# Altium PCB STM PCB.PcbDoc (part 2 of 3)
Units mm, origin at the board's own origin, x right, y up, seen from the top; angles counter-clockwise.
Board outline 66 x 113.5 mm, 4 copper layers (L1, GND, PWR, L2), stack 0.603 mm thick; 161 components, 199 nets, 817 pads, 466 vias.
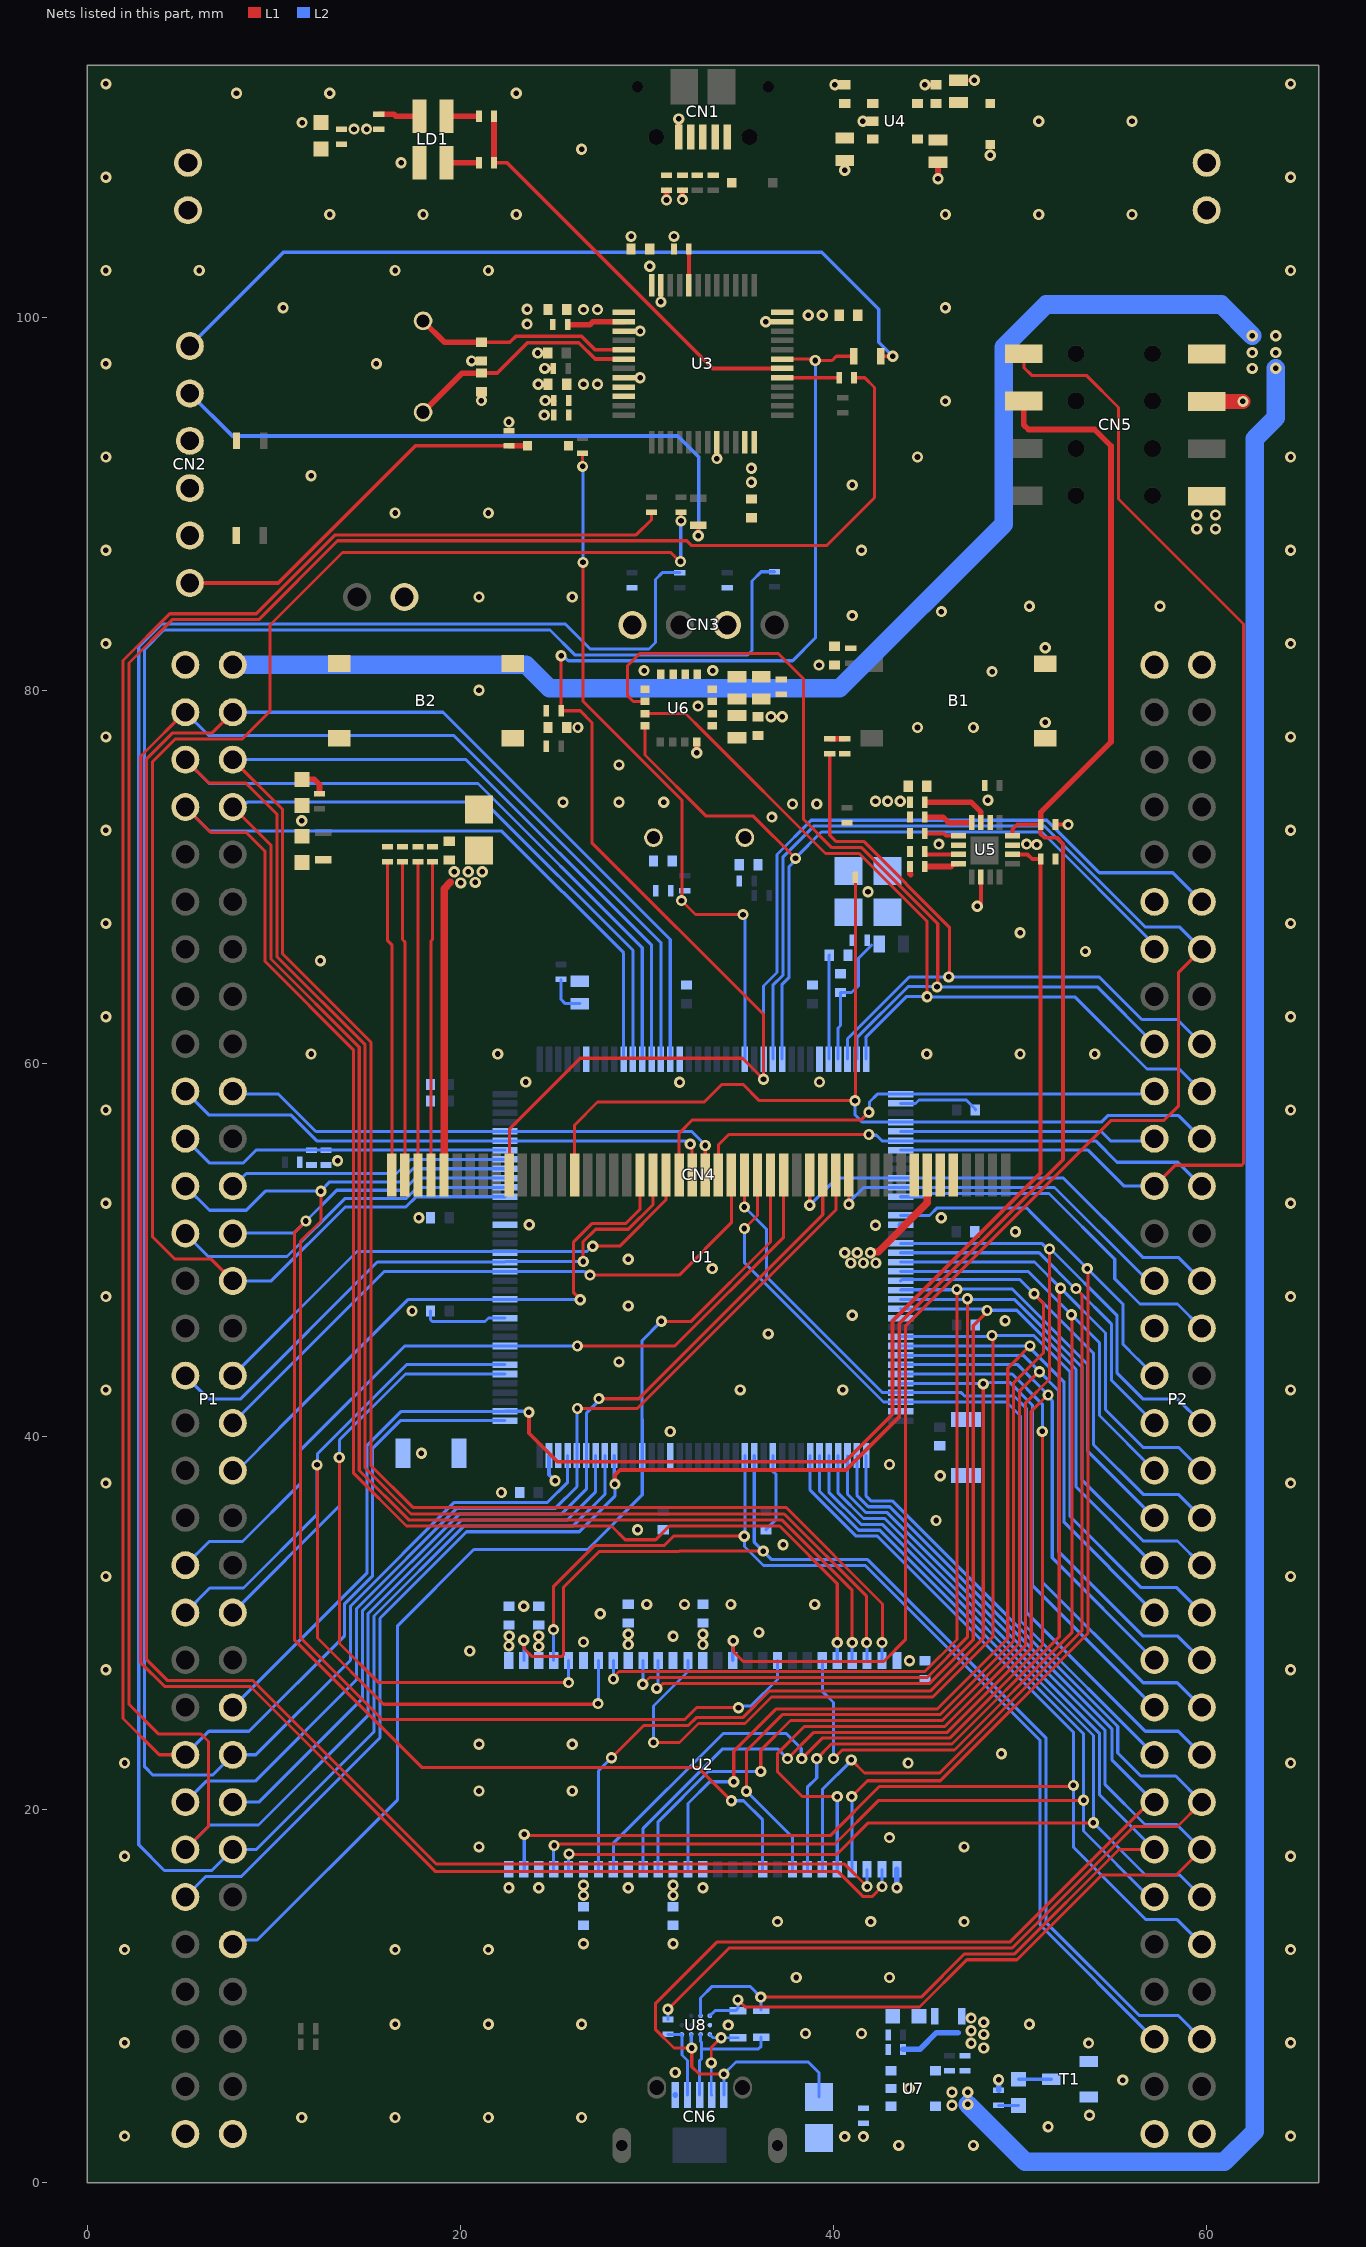
[diagram p4: the nets of this part, all layers, seen from the top]

## Part data (continued)
R34: library part "RES 680 OHM 1% 1/10W 0603", "SMD Chip Resistor, 680 Ohm, ± 1%, 100 mW, 0603 [1608 Metric], Thick Film, General Purpose", Case Code (Metric)=1608, Case Code (Imperial)=0603, Manufacturer=Yageo, Max Operating Temperature=155°C, Max Power Dissipation=100mW, Min Operating Temperature=-55°C, Resistance Tolerance=1%, Resistor Type="Thick Film", Supplier Part Number=6789788, Temperature Coefficient=100ppm/°C, Voltage Rating=50V, Working Voltage=75V, Case/Package=0603, Category="Chip SMD Resistors", ComponentLink1Description=https://datasheet.ciiva.com/46412/443971-46412854.pdf?src-supplier=Element14, ComponentLink1URL=https://datasheet.ciiva.com/46412/443971-46412854.pdf?src-supplier=Element14, ComponentLink2Description=https://datasheet.ciiva.com/2553/pyu-r-int-thick-7-2553546.pdf?src-supplier=Digikey, ComponentLink2URL=https://datasheet.ciiva.com/2553/pyu-r-int-thick-7-2553546.pdf?src-supplier=Digikey, ComponentLink3Description=https://datasheet.ciiva.com/2553/pyu-r-int-thick-7-2553545.pdf?src-supplier=Digikey, ComponentLink3URL=https://datasheet.ciiva.com/2553/pyu-r-int-thick-7-2553545.pdf?src-supplier=Digikey, ComponentLink4Description=https://datasheet.ciiva.com/7746/443971-7746389.pdf?src-supplier=Element14, ComponentLink4URL=https://datasheet.ciiva.com/7746/443971-7746389.pdf?src-supplier=Element14, ComponentLink5Description=https://datasheet.ciiva.com/2553/pyu-r-int-thick-7-2553547.pdf?src-supplier=Digikey, ComponentLink5URL=https://datasheet.ciiva.com/2553/pyu-r-int-thick-7-2553547.pdf?src-supplier=Digikey, Construction=Rectangular, Depth=0.8mm, Features="Moisture Resistant", Lead Free="Lead Free", Length=1.6mm, Manufacturer Part Number=RC0603FR-07680RL, Military Standard=Not, Number of Terminations=2, Packaging="Tape and Reel", Pins=2, Power Rating=100mW, Pricing="5000=0,0032, 50000=0,0029, 100000=0,003, 150000=0,0028, 375000=0,0028, 1000000=0,0025, 1250000=0,0027, 5000000=0,0025 (USD)", Reach SVHC Compliant=No, RoHS=Yes, RoHS Compliant=Yes, Series=RC, Stock=2255000, Supplier="Future Electronics", Termination=SMD/SMT, Tolerance=1%, Voltage Rating (AC)=50V, Voltage Rating (DC)=50V, Width=0.8mm
R37 R43: library part "RES 330 OHM 1% 1/16W 0402", "SMD Chip Resistor, 330 Ohm, ± 1%, 63 mW, 0402 [1005 Metric], Thick Film, General Purpose", Case Code (Metric)=1005, Case Code (Imperial)=0402, Manufacturer=Yageo, Max Operating Temperature=155°C, Max Power Dissipation=63mW, Min Operating Temperature=-55°C, Package Quantity=1, Power Rating=62.5mW, Resistance Tolerance=1%, Resistor Type="Thick Film", Supplier Part Number=7045693, Temperature Coefficient=100ppm/°C, Voltage Rating=50V, Case/Package=0402, Category="Chip SMD Resistors", ComponentLink1Description=https://datasheet.ciiva.com/11819/0900766b80c66297-11819490.pdf?src-supplier=Rs, ComponentLink1URL=https://datasheet.ciiva.com/11819/0900766b80c66297-11819490.pdf?src-supplier=Rs, ComponentLink2Description=https://datasheet.ciiva.com/2453/pyu-r-int-thick-7-2453662.pdf?src-supplier=Digikey, ComponentLink2URL=https://datasheet.ciiva.com/2453/pyu-r-int-thick-7-2453662.pdf?src-supplier=Digikey, ComponentLink3Description=https://datasheet.ciiva.com/2453/pyu-r-int-thick-7-2453663.pdf?src-supplier=Digikey, ComponentLink3URL=https://datasheet.ciiva.com/2453/pyu-r-int-thick-7-2453663.pdf?src-supplier=Digikey, ComponentLink4Description=https://datasheet.ciiva.com/2453/pyu-r-int-thick-7-2453661.pdf?src-supplier=Digikey, ComponentLink4URL=https://datasheet.ciiva.com/2453/pyu-r-int-thick-7-2453661.pdf?src-supplier=Digikey, ComponentLink5Description=https://datasheet.ciiva.com/12656/pyu-rc0402-51-rohs-l-6-r-12656815.pdf?src-supplier=Mouser, ComponentLink5URL=https://datasheet.ciiva.com/12656/pyu-rc0402-51-rohs-l-6-r-12656815.pdf?src-supplier=Mouser, ComponentLink6Description=https://datasheet.ciiva.com/7849/1018594-7849963.pdf?src-supplier=Element14, ComponentLink6URL=https://datasheet.ciiva.com/7849/1018594-7849963.pdf?src-supplier=Element14, ComponentLink7Description=https://datasheet.ciiva.com/7849/1018594-7849962.pdf?src-supplier=Element14, ComponentLink7URL=https://datasheet.ciiva.com/7849/1018594-7849962.pdf?src-supplier=Element14, ComponentLink8Description=https://datasheet.ciiva.com/17083/pyu-rc0402-51-rohs-l-6-r-17083994.pdf?src-supplier=Future+Electronics, ComponentLink8URL=https://datasheet.ciiva.com/17083/pyu-rc0402-51-rohs-l-6-r-17083994.pdf?src-supplier=Future+Electronics, Construction=Rectangular, Depth=0.5mm, Features="Moisture Resistant", Height=0.016inch, Lead Free=5697LeadFree, Length=0.039inch, Manufacturer Part Number=RC0402FR-07330RL, Military Standard=Not, Number of Terminations=2, Packaging="Tape and Reel", Pricing="10000=0,002, 100000=0,0011, 200000=0,0019, 300000=0,001, 750000=0,0018, 2000000=0,0018, 7500000=0,0016 (USD)", Reach SVHC Compliant=No, RoHS=Yes, RoHS Compliant=Yes, Series=RC, Stock=1480000, Supplier="Future Electronics", Technology="THICK FILM", Termination=SMD/SMT, Tolerance=1%, Voltage Rating (AC)=50V, Width=0.02inch
R38: library part "RES 620 OHM 1% 1/10W 0603", "SMD Chip Resistor, 620 Ohm, ± 1%, 100 mW, 0603 [1608 Metric], Thick Film, General Purpose", Manufacturer=Yageo, Supplier Part Number=6944821, Category="Chip SMD Resistors", ComponentLink1Description=http://www.mouser.com/ds/2/447/RC0603-272842.pdf?src-supplier=Mouser, ComponentLink1URL=http://www.mouser.com/ds/2/447/RC0603-272842.pdf?src-supplier=Mouser, ComponentLink2Description=http://www.yageo.com/documents/recent/PYu-RC_Group_51_RoHS_L_9.pdf?src-supplier=Digikey, ComponentLink2URL=http://www.yageo.com/documents/recent/PYu-RC_Group_51_RoHS_L_9.pdf?src-supplier=Digikey, ComponentLink3Description=http://www.yageo.com/documents/recent/PYu-RC_Group_51_RoHS_L_10.pdf?src-supplier=Digikey, ComponentLink3URL=http://www.yageo.com/documents/recent/PYu-RC_Group_51_RoHS_L_10.pdf?src-supplier=Digikey, ComponentLink4Description=https://datasheet.octopart.com/RC0603FR-07620RL-Yageo-datasheet-164759695.pdf?src-supplier=Future+Electronics, ComponentLink4URL=https://datasheet.octopart.com/RC0603FR-07620RL-Yageo-datasheet-164759695.pdf?src-supplier=Future+Electronics, ComponentLink5Description=http://www.yageo.com/documents/recent/PYu-RC0603_51_RoHS_L_7.pdf?src-supplier=Future+Electronics, ComponentLink5URL=http://www.yageo.com/documents/recent/PYu-RC0603_51_RoHS_L_7.pdf?src-supplier=Future+Electronics, ComponentLink6Description=https://datasheet.octopart.com/RC0603FR-07620RL-Yageo-datasheet-148775077.pdf?src-supplier=TME, ComponentLink6URL=https://datasheet.octopart.com/RC0603FR-07620RL-Yageo-datasheet-148775077.pdf?src-supplier=TME, Manufacturer Part Number=RC0603FR-07620RL, Pricing="5000=0,0015, 50000=0,0014, 150000=0,0014, 375000=0,0013, 1000000=0,0012 (USD)", RoHS=Yes, Stock=330000, Supplier="Future Electronics"
R40 R44: library part "RES 47K OHM 1% 1/16W 0402", "SMD Chip Resistor, 47 kOhm, ± 1%, 63 mW, 0402 [1005 Metric], Thick Film, General Purpose", Case Code (Metric)=1005, Case Code (Imperial)=0402, Manufacturer=Yageo, Max Operating Temperature=155°C, Max Power Dissipation=63mW, Min Operating Temperature=-55°C, Package Quantity=1, Power Rating=62.5mW, Resistance Tolerance=1%, Resistor Type="Thick Film", Supplier Part Number=6020820, Temperature Coefficient=100ppm/°C, Voltage Rating=50V, Case/Package=0402, Category="Chip SMD Resistors", ComponentLink1Description=https://datasheet.ciiva.com/46412/1018594-46412839.pdf?src-supplier=Element14, ComponentLink1URL=https://datasheet.ciiva.com/46412/1018594-46412839.pdf?src-supplier=Element14, ComponentLink2Description=https://datasheet.ciiva.com/2453/pyu-r-int-thick-7-2453389.pdf?src-supplier=Digikey, ComponentLink2URL=https://datasheet.ciiva.com/2453/pyu-r-int-thick-7-2453389.pdf?src-supplier=Digikey, ComponentLink3Description=https://datasheet.ciiva.com/2453/pyu-r-int-thick-7-2453390.pdf?src-supplier=Digikey, ComponentLink3URL=https://datasheet.ciiva.com/2453/pyu-r-int-thick-7-2453390.pdf?src-supplier=Digikey, ComponentLink4Description=https://datasheet.ciiva.com/2453/pyu-r-int-thick-7-2453388.pdf?src-supplier=Digikey, ComponentLink4URL=https://datasheet.ciiva.com/2453/pyu-r-int-thick-7-2453388.pdf?src-supplier=Digikey, ComponentLink5Description=https://datasheet.ciiva.com/15189/getdatasheetpartid-323748-15189466.pdf?src-supplier=Verical, ComponentLink5URL=https://datasheet.ciiva.com/15189/getdatasheetpartid-323748-15189466.pdf?src-supplier=Verical, ComponentLink6Description=https://datasheet.ciiva.com/16793/pyu-rc0402-51-rohs-l-6-r-16793430.pdf?src-supplier=Future+Electronics, ComponentLink6URL=https://datasheet.ciiva.com/16793/pyu-rc0402-51-rohs-l-6-r-16793430.pdf?src-supplier=Future+Electronics, Construction=Rectangular, Depth=0.5mm, Features="Moisture Resistant", Height=0.016inch, Lead Free=5697LeadFree, Length=1mm, Manufacturer Part Number=RC0402FR-0747KL, Military Standard=Not, Number of Terminations=2, Packaging="Tape and Reel", Pricing="10000=0,0019, 100000=0,0011, 200000=0,0018, 300000=0,001, 750000=0,0017, 2000000=0,0017, 7500000=0,0015 (USD)", Reach SVHC Compliant=Unknown, RoHS=Yes, RoHS Compliant=Yes, Series=RC, Stock=1220000, Supplier="Future Electronics", Termination=SMD/SMT, Tolerance=1%, Voltage Rating (AC)=50V, Width=0.02inch
SB1 SB2 SB3 SB4 SB5 SB6 SB7 SB8 SB9 SB10 SB11 SB12 SB13 SB15 SB16 SB18 SB19 SB20 SB21 SB22 SB23 SB24 SB25 SB26 SB27 SB28: library part "RES 0 OHM JUMPER 1/10W 0603", "Zero Ohm Resistor, Jumper, 0402 [1005 Metric], Thick Film, 62.5 mW, 1 A, Surface Mount", Case Code (Metric)=1608, Case Code (Imperial)=0402, Case/Package=0603, Manufacturer=Yageo, Manufacturer Part Number=RC0603JR-070RL, Max Operating Temperature=155°C, Max Power Dissipation=100mW, Min Operating Temperature=-55°C, Package Quantity=5000, Resistance Tolerance=5%, Resistor Type="Thick Film", Supplier Part Number=3992146, Temperature Coefficient=200ppm/°C, Tolerance=1%, Voltage Rating=50V, Category="Chip SMD Resistors", Construction=Rectangular, Contact Plating=Tin,Matte, Depth=0.8mm, Features="Moisture Resistant", Height=0.45mm, Lead Free=5697LeadFree, Length=1.6mm, Military Standard=Not, Number of Terminations=2, Packaging="Tape and Reel", Pins=2, Power Rating=100mW, Pricing="5000=0,0016, 50000=0,0014, 100000=0,0015, 150000=0,0014, 375000=0,0014, 1000000=0,0012, 1250000=0,0013, 5000000=0,0012 (USD)", Reach SVHC Compliant=Unknown, RoHS=Yes, RoHS Compliant=Yes, Series=RC, Stock=16200000, Supplier="Future Electronics", Technology="THICK FILM", Termination=SMD/SMT, Voltage Rating (DC)=50V, Width=0.8mm
T1: library part "TRANS NPN 40V 0.6A SOT23-3", "Bipolar (BJT) Transistor NPN 40V 600mA 300MHz 225mW Surface Mount SOT-23-3", Case/Package=SOT-23-3, Clock Frequency=300MHz, Collector Base Voltage (VCBO)=75V, Collector Emitter Breakdown Voltage=40V, Collector Emitter Saturation Voltage=1V, Current Rating=600mA, Emitter Base Voltage (VEBO)=6V, Manufacturer="ON Semiconductor", Max Operating Temperature=150°C, Max Power Dissipation=225mW, Min Operating Temperature=-55°C, Package Quantity=3000, Power Dissipation=300mW, Category=BJTs, Collector Emitter Voltage (VCEO)=40V, Collector-emitter Voltage-Max=1V, ComponentLink1Description=https://datasheet.ciiva.com/16199/mmbt2222lt1-d-16199072.pdf?src-supplier=Future+Electronics, ComponentLink1URL=https://datasheet.ciiva.com/16199/mmbt2222lt1-d-16199072.pdf?src-supplier=Future+Electronics, ComponentLink2Description=https://datasheet.ciiva.com/15139/getdatasheetpartid-82691-15139077.pdf?src-supplier=Verical, ComponentLink2URL=https://datasheet.ciiva.com/15139/getdatasheetpartid-82691-15139077.pdf?src-supplier=Verical, ComponentLink3Description=https://datasheet.ciiva.com/7972/mmbt2222lt1-d-7972057.pdf?src-supplier=Element14, ComponentLink3URL=https://datasheet.ciiva.com/7972/mmbt2222lt1-d-7972057.pdf?src-supplier=Element14, ComponentLink4Description=https://datasheet.ciiva.com/7972/mmbt2222lt1-d-7972058.pdf?src-supplier=Element14, ComponentLink4URL=https://datasheet.ciiva.com/7972/mmbt2222lt1-d-7972058.pdf?src-supplier=Element14, ComponentLink5Description=https://datasheet.ciiva.com/14546/70099528-14546715.pdf?src-supplier=Allied+Electronics, ComponentLink5URL=https://datasheet.ciiva.com/14546/70099528-14546715.pdf?src-supplier=Allied+Electronics, ComponentLink6Description=https://datasheet.ciiva.com/11201/mmbt2222lt1-d-11201869.pdf?src-supplier=Avnet, ComponentLink6URL=https://datasheet.ciiva.com/11201/mmbt2222lt1-d-11201869.pdf?src-supplier=Avnet, ComponentLink7Description=https://datasheet.ciiva.com/976/mmbt2222lt1-d-976345.pdf?src-supplier=Digikey, ComponentLink7URL=https://datasheet.ciiva.com/976/mmbt2222lt1-d-976345.pdf?src-supplier=Digikey, ComponentLink8Description=https://datasheet.ciiva.com/976/mmbt2222lt1-d-976346.pdf?src-supplier=Digikey, ComponentLink8URL=https://datasheet.ciiva.com/976/mmbt2222lt1-d-976346.pdf?src-supplier=Digikey, ComponentLink9Description=https://datasheet.ciiva.com/976/mmbt2222lt1-d-976344.pdf?src-supplier=Digikey, ComponentLink9URL=https://datasheet.ciiva.com/976/mmbt2222lt1-d-976344.pdf?src-supplier=Digikey, Frequency=300MHz, Gain Bandwidth Product=300MHz, Height=0.94mm, hFE Min=100, Lead Free="Lead Free", Length=2.9mm, Manufacturer Part Number=MMBT2222ALT1G, Max Breakdown Voltage=40V, Max Collector Current=600mA, Number of Elements=1, Packaging="Tape and Reel", Pins=3, Polarity=NPN, Pricing="14706=0,05032, 15000=0,04896, 30000=0,0476, 74000=0,04624, 150000=0,04488, 740000=0,04352, 1500000=0,04216 (USD)", Radiation Hardening=No, Reach SVHC Compliant=No, RoHS=Yes, RoHS Compliant=Yes, Series="Automotive, AEC-Q101", Stock=4183500, Supplier=Avnet, Supplier Part Number=MMBT2222ALT1G, Transition Frequency=300MHz, Type="General Purpose", Voltage Rating (DC)=40V, Width=1.3mm
U1: library part "IC MCU 32BIT 2MB FLASH 144LQFP", "RISC Microcontroller, 32-Bit, FLASH, CORTEX-M4F CPU, 180MHz, CMOS, PQFP144", Manufacturer=STMicroelectronics, Nominal Supply Current=1.7uA, Supplier Part Number=511-STM32F429ZIT6, Category=Microcontrollers, ComponentLink1Description=https://datasheet.ciiva.com/28647/1818195-28647943.pdf?src-supplier=Element14, ComponentLink1URL=https://datasheet.ciiva.com/28647/1818195-28647943.pdf?src-supplier=Element14, ComponentLink2Description=https://datasheet.ciiva.com/29987/dm00071990-29987273.pdf?src-supplier=Avnet, ComponentLink2URL=https://datasheet.ciiva.com/29987/dm00071990-29987273.pdf?src-supplier=Avnet, ComponentLink3Description=https://datasheet.ciiva.com/29722/dm00053488-29722151.pdf?src-supplier=Digikey, ComponentLink3URL=https://datasheet.ciiva.com/29722/dm00053488-29722151.pdf?src-supplier=Digikey, Density=2MB, Manufacturer Part Number=STM32F429ZIT6, Number of A/D Converters=3NUMBER, Number of Channels=24NUMBER, Number of D/A Converters=2NUMBER, Pricing="1=18,06, 10=16,6, 50=15,92, 100=14,02, 1000=12,47, 10000=12,47 (USD)", RoHS=Yes, Stock=1510, Supplier=Mouser
U2: library part "IC DRAM 64MBIT PAR 54TSOP II", "PTC Resettable Fuse 2A(hold) 4A(trip) 16VDC 100A 1.5W 4.5s 0.035Ohm SMD Solder Pad 7.98 X 5.44 X 0.9mm T/R", Case Code (Metric)=7351, Case Code (Imperial)=2920, Case/Package=448Case, Current Rating=100A, Hold Current=2A, Manufacturer=Bel, Manufacturer Part Number=0ZCF0200AF2C, Max Operating Temperature=85°C, Min Operating Temperature=-40°C, Supplier Part Number=530-0ZCF0200AF2C, Trip Current=4A, Voltage Rating=24V, Category="PTC Resettable Fuses", ComponentLink1Description=https://datasheet.ciiva.com/18550/0zcf-18550655.pdf?src-supplier=Digikey, ComponentLink1URL=https://datasheet.ciiva.com/18550/0zcf-18550655.pdf?src-supplier=Digikey, Height=800um, Lead Free="Lead Free", Max Current Rating=100A, Mounting Technology="Surface Mount", Packaging="Cut Tape", Pricing="1=0,27, 10=0,222, 50=0,222, 100=0,198, 1000=0,166, 10000=0,113 (USD)", RoHS=Yes, RoHS Compliant=Yes, Series=0ZCF, Stock=47794, Supplier=Mouser, Time to Trip=5s
U3: library part "IC MCU 32BIT 128KB FLASH 48LQFP", "ARM Cortex-M3 STM32 F1 Microcontroller 32-Bit 72MHz 128kB FLASH LQFP48 STM32F103CBT6", Case/Package=LQFP, Clock Frequency=72MHz, Manufacturer=STMicroelectronics, Max Operating Temperature=85°C, Max Power Dissipation=363mW, Max Supply Voltage=3.6V, Min Operating Temperature=-40°C, Min Supply Voltage=2V, Package Quantity=250, Supplier Part Number=511-STM32F103CBT6, Address Bus Width=32b, Category=Microcontrollers, ComponentLink1Description=https://datasheet.ciiva.com/23669/1714663-23669200.pdf?src-supplier=Newark, ComponentLink1URL=https://datasheet.ciiva.com/23669/1714663-23669200.pdf?src-supplier=Newark, ComponentLink2Description=https://datasheet.ciiva.com/15122/getdatasheetpartid-92132-15122195.pdf?src-supplier=Verical, ComponentLink2URL=https://datasheet.ciiva.com/15122/getdatasheetpartid-92132-15122195.pdf?src-supplier=Verical, ComponentLink3Description=https://datasheet.ciiva.com/5752/cd00161566-5752838.pdf?src-supplier=Farnell, ComponentLink3URL=https://datasheet.ciiva.com/5752/cd00161566-5752838.pdf?src-supplier=Farnell, ComponentLink4Description=https://datasheet.ciiva.com/14100/pustm-arm-microcont-stm32f103-en-14100509.pdf?src-supplier=Distrelec, ComponentLink4URL=https://datasheet.ciiva.com/14100/pustm-arm-microcont-stm32f103-en-14100509.pdf?src-supplier=Distrelec, ComponentLink5Description=https://datasheet.ciiva.com/1502/cd00161566-1502328.pdf?src-supplier=Digikey, ComponentLink5URL=https://datasheet.ciiva.com/1502/cd00161566-1502328.pdf?src-supplier=Digikey, ComponentLink6Description=https://datasheet.ciiva.com/4840/cd00161566-4840398.pdf?src-supplier=Mouser, ComponentLink6URL=https://datasheet.ciiva.com/4840/cd00161566-4840398.pdf?src-supplier=Mouser, ComponentLink7Description=https://datasheet.ciiva.com/16219/cd00161566-16219150.pdf?src-supplier=Future+Electronics, ComponentLink7URL=https://datasheet.ciiva.com/16219/cd00161566-16219150.pdf?src-supplier=Future+Electronics, Core Architecture=ARM, Data Bus Width=32b, Density=128KB, Frequency=72MHz, Height=1.45mm, Lead Free="Lead Free", Length=7mm, Manufacturer Part Number=STM32F103CBT6, Memory Format=FLASH, Memory Size=128KB, Number of ADC Channels=10, Number of Bits=32, Number of Programmable I/O=37, Number of PWM Channels=12, Number of SPI Channels=2, Number of Timers/Counters=4, Number of I2C Channels=2, Number of I/Os=37, Oscillator Type=Internal, Packaging=Tray, Peripherals="POR,PWM,WDT,DMA,Temp Sensor,I2C", Pins=48, Pricing="1=7,04, 10=6,36, 50=5,27, 100=5,27, 1000=4, 10000=3,92 (USD)", Radiation Hardening=No, RAM Size=20KB, Reach SVHC Compliant=No, RoHS=Yes, RoHS Compliant=Yes, Series="STM32 F1", Stock=5952, Supplier=Mouser, Termination=SMD/SMT, Watchdog Timer=Yes, Width=7.2mm, Interface=I2C,SPI,USB,CAN,IrDA,UART,USART,LIN
U4: library part "IC REG LINEAR 3.3V 150MA SOT23-5", "LD3985 Series 150 mA 3.3 V Fixed Low Noise LDO BiCMOS Regulator-SOT-23-5", Case/Package=SOT-23-5, Dropout Voltage=400uV, Manufacturer=STMicroelectronics, Max Operating Temperature=125°C, Max Supply Current=250uA, Max Supply Voltage=6V, Min Operating Temperature=-40°C, Min Output Voltage=3.3V, Min Supply Voltage=2.5V, Output Current=150mA, Package Quantity=3000, Power Supply Rejection Ratio (PSRR)=50dB, Quiescent Current=150uA, Supplier Part Number=511-LD3985M33R, Input Bias Current=85uA, Category="Voltage Regulators - Linear", ComponentLink1Description=https://datasheet.ciiva.com/41440/001185181-da-01-en-ic-reg-ldo-3-3v-ld3985m33r-sot-23-5-stm-41440289.pdf?src-supplier=Conrad, ComponentLink1URL=https://datasheet.ciiva.com/41440/001185181-da-01-en-ic-reg-ldo-3-3v-ld3985m33r-sot-23-5-stm-41440289.pdf?src-supplier=Conrad, ComponentLink2Description=https://datasheet.ciiva.com/2042/cd00003395-2042199.pdf?src-supplier=Digikey, ComponentLink2URL=https://datasheet.ciiva.com/2042/cd00003395-2042199.pdf?src-supplier=Digikey, ComponentLink3Description=https://datasheet.ciiva.com/2042/cd00003395-2042198.pdf?src-supplier=Digikey, ComponentLink3URL=https://datasheet.ciiva.com/2042/cd00003395-2042198.pdf?src-supplier=Digikey, ComponentLink4Description=https://datasheet.ciiva.com/2042/cd00003395-2042200.pdf?src-supplier=Digikey, ComponentLink4URL=https://datasheet.ciiva.com/2042/cd00003395-2042200.pdf?src-supplier=Digikey, Height=1.3mm, Lead Free="Lead Free", Length=3mm, Manufacturer Part Number=LD3985M33R, Min Input Voltage=2.5V, Mounting Technology="Surface Mount", Number of Channels=1NUMBER, Number of Outputs=1, Number of Regulators=1, Output Configuration=Positive, Output Type=Fixed, Output Voltage=3.3V, Packaging="Cut Tape", Pins=5, Polarity=Positive, Pricing="1=0,89, 10=0,793, 50=0,753, 100=0,618, 1000=0,403, 10000=0,343 (USD)", RoHS=Yes, RoHS Compliant=Yes, Series=-, Stock=69742, Supplier=Mouser, Weight=0.000222oz, Width=1.75mm
U5: library part "IC SCREEN CNTRL 12BIT 16QFN", "S-Touch® advanced resistive touchscreen controller with 8-bit GPIO expander", Manufacturer=STMicroelectronics, Supplier Part Number=5046233, Category="Touch Screen Controllers", ComponentLink1Description=https://datasheet.ciiva.com/4826/cd00186725-116780-4826797.pdf?src-supplier=Mouser, ComponentLink1URL=https://datasheet.ciiva.com/4826/cd00186725-116780-4826797.pdf?src-supplier=Mouser, Manufacturer Part Number=STMPE811QTR, Pricing="4000=2,12 (USD)", RoHS=Yes, Supplier="Future Electronics"
U6: library part "MEMS MOTION SENSOR 3AXIS 16LGA", "I3G4250D Series 3.6 V 6.1 mA Low-Power 3-Axis Angular Rate Sensor - LGA-16", Manufacturer=STMicroelectronics, Supplier Part Number=511-I3G4250DTR, Category=Gyroscopes, ComponentLink1Description=http://www.farnell.com/datasheets/2028144.pdf?src-supplier=Farnell, ComponentLink1URL=http://www.farnell.com/datasheets/2028144.pdf?src-supplier=Farnell, ComponentLink2Description=http://www.st.com/st-web-ui/static/active/en/resource/technical/document/datasheet/DM00168691.pdf?src-supplier=Avnet, ComponentLink2URL=http://www.st.com/st-web-ui/static/active/en/resource/technical/document/datasheet/DM00168691.pdf?src-supplier=Avnet, ComponentLink3Description=http://www.farnell.com/datasheets/2028144.pdf?src-supplier=Element14, ComponentLink3URL=http://www.farnell.com/datasheets/2028144.pdf?src-supplier=Element14, ComponentLink4Description=http://www.st.com/content/ccc/resource/technical/document/datasheet/e4/b1/d1/62/1a/e6/44/2f/DM00168691.pdf/files/DM00168691.pdf/jcr:content/translations/en.DM00168691.pdf?src-supplier=Digikey, ComponentLink4URL=http://www.st.com/content/ccc/resource/technical/document/datasheet/e4/b1/d1/62/1a/e6/44/2f/DM00168691.pdf/files/DM00168691.pdf/jcr:content/translations/en.DM00168691.pdf?src-supplier=Digikey, Manufacturer Part Number=I3G4250DTR, Pricing="1=11,09, 10=8,21, 50=8,21, 100=7,03, 1000=6,15, 10000=5,95 (USD)", RoHS=Yes, Stock=11568, Supplier=Mouser
U7: library part "IC PWR SWITCH N-CHAN 1:1 SOT23-5", "STMPS Series 1 Channel 5.5 V 500 mA 200 mOhm High Side Power Switch - SOT-23-5", Drain to Source Resistance=90mR, Manufacturer=STMicroelectronics, Max Supply Voltage=5.5V, Min Supply Voltage=2.7V, Nominal Supply Voltage=5V, Supplier Part Number=511-STMPS2141STR, Category="Hot Swap Controllers", ComponentLink1Description=https://datasheet.ciiva.com/15108/getdatasheetpartid-160072-15108990.pdf?src-supplier=Verical, ComponentLink1URL=https://datasheet.ciiva.com/15108/getdatasheetpartid-160072-15108990.pdf?src-supplier=Verical, ComponentLink2Description=https://datasheet.ciiva.com/4923/cd00167470-4923447.pdf?src-supplier=Mouser, ComponentLink2URL=https://datasheet.ciiva.com/4923/cd00167470-4923447.pdf?src-supplier=Mouser, ComponentLink3Description=https://datasheet.ciiva.com/1962/cd00167470-1962472.pdf?src-supplier=Digikey, ComponentLink3URL=https://datasheet.ciiva.com/1962/cd00167470-1962472.pdf?src-supplier=Digikey, ComponentLink4Description=https://datasheet.ciiva.com/1962/cd00167470-1962473.pdf?src-supplier=Digikey, ComponentLink4URL=https://datasheet.ciiva.com/1962/cd00167470-1962473.pdf?src-supplier=Digikey, ComponentLink5Description=https://datasheet.ciiva.com/1962/cd00167470-1962474.pdf?src-supplier=Digikey, ComponentLink5URL=https://datasheet.ciiva.com/1962/cd00167470-1962474.pdf?src-supplier=Digikey, ComponentLink6Description=https://datasheet.ciiva.com/16491/cd00167470-16491245.pdf?src-supplier=Future+Electronics, ComponentLink6URL=https://datasheet.ciiva.com/16491/cd00167470-16491245.pdf?src-supplier=Future+Electronics, Manufacturer Part Number=STMPS2141STR, Number of Channels=1NUMBER, Output Voltage=5V, Pricing="1=1,32, 10=1,18, 50=1,08, 100=0,91, 1000=0,562, 10000=0,497 (USD)", RoHS=Yes, Stock=65022, Supplier=Mouser
U8: library part "FILTER RC(PI) 33 OHM/20PF SMD", "2-line EMI filter and ESD protection with R pull-up for USB interfaces", Manufacturer=STMicroelectronics, Supplier Part Number=511-EMIF02-USB03F2, Category="EMI / RFI Components", ComponentLink1Description=https://datasheet.ciiva.com/12394/cd00042880-211729-12394966.pdf?src-supplier=Mouser, ComponentLink1URL=https://datasheet.ciiva.com/12394/cd00042880-211729-12394966.pdf?src-supplier=Mouser, ComponentLink2Description=https://datasheet.ciiva.com/3068/cd00042880-3068450.pdf?src-supplier=Avnet, ComponentLink2URL=https://datasheet.ciiva.com/3068/cd00042880-3068450.pdf?src-supplier=Avnet, Manufacturer Part Number=EMIF02-USB03F2, Pricing="1=0,45, 10=0,436, 50=0,344, 100=0,319, 1000=0,263, 10000=0,244 (USD)", RoHS=Yes, Stock=31970, Supplier=Mouser
X1 X2: library part "Crystal 8MHZ 20PF 20PPM H1OED8K5", "HC-49US 8MHZ 20PF 20PPM H1OED8K5", Equivalent Series Resistance=60OHMs, Frequency=8MHz, Frequency Stability=20ppm, Load Capacitance=20pF, Manufacturer=YXC, ComponentLink1Description=Datasheet, ComponentLink1URL=https://mm.digikey.com/Volume0/opasdata/d220001/medias/docus/4129/HC-49US_Dip.pdf, Height-Size-Dimension="0.145\" (3.68mm)-0.453\" L x 0.177\" W (11.50mm x 4.50mm)", Mounting Type="Through Hole", Series=HC-49US

## Via types
v1: diameter 0.6, hole 0.3, L1 to L2, 466 vias
